# Altium PCB HUB V1.3.220712.PcbDoc
Units mm, origin at the board's own origin, x right, y up, seen from the top; angles counter-clockwise.
Board outline 69 x 48 mm, 2 copper layers (Top Layer, Bottom Layer); 90 components, 67 nets, 263 pads, 103 vias.
Unrouted connection lines stored in the file: 37.
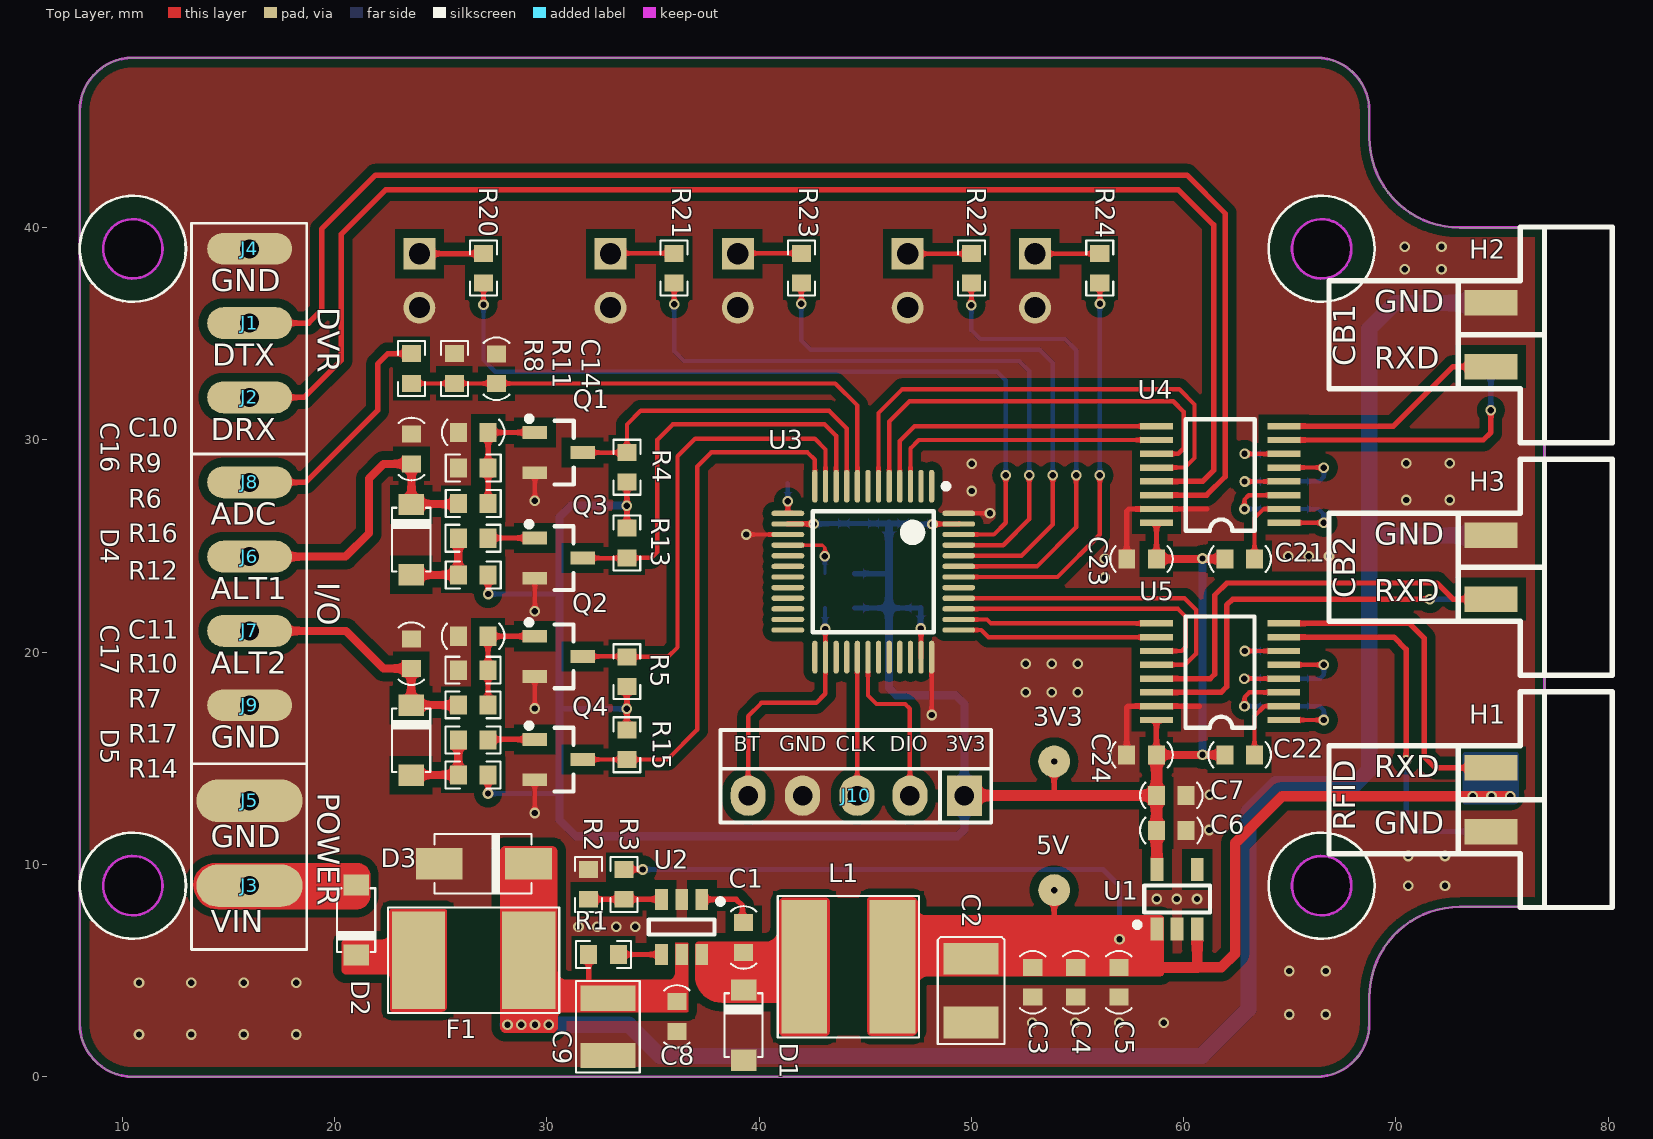
[diagram p0: Top Layer view]
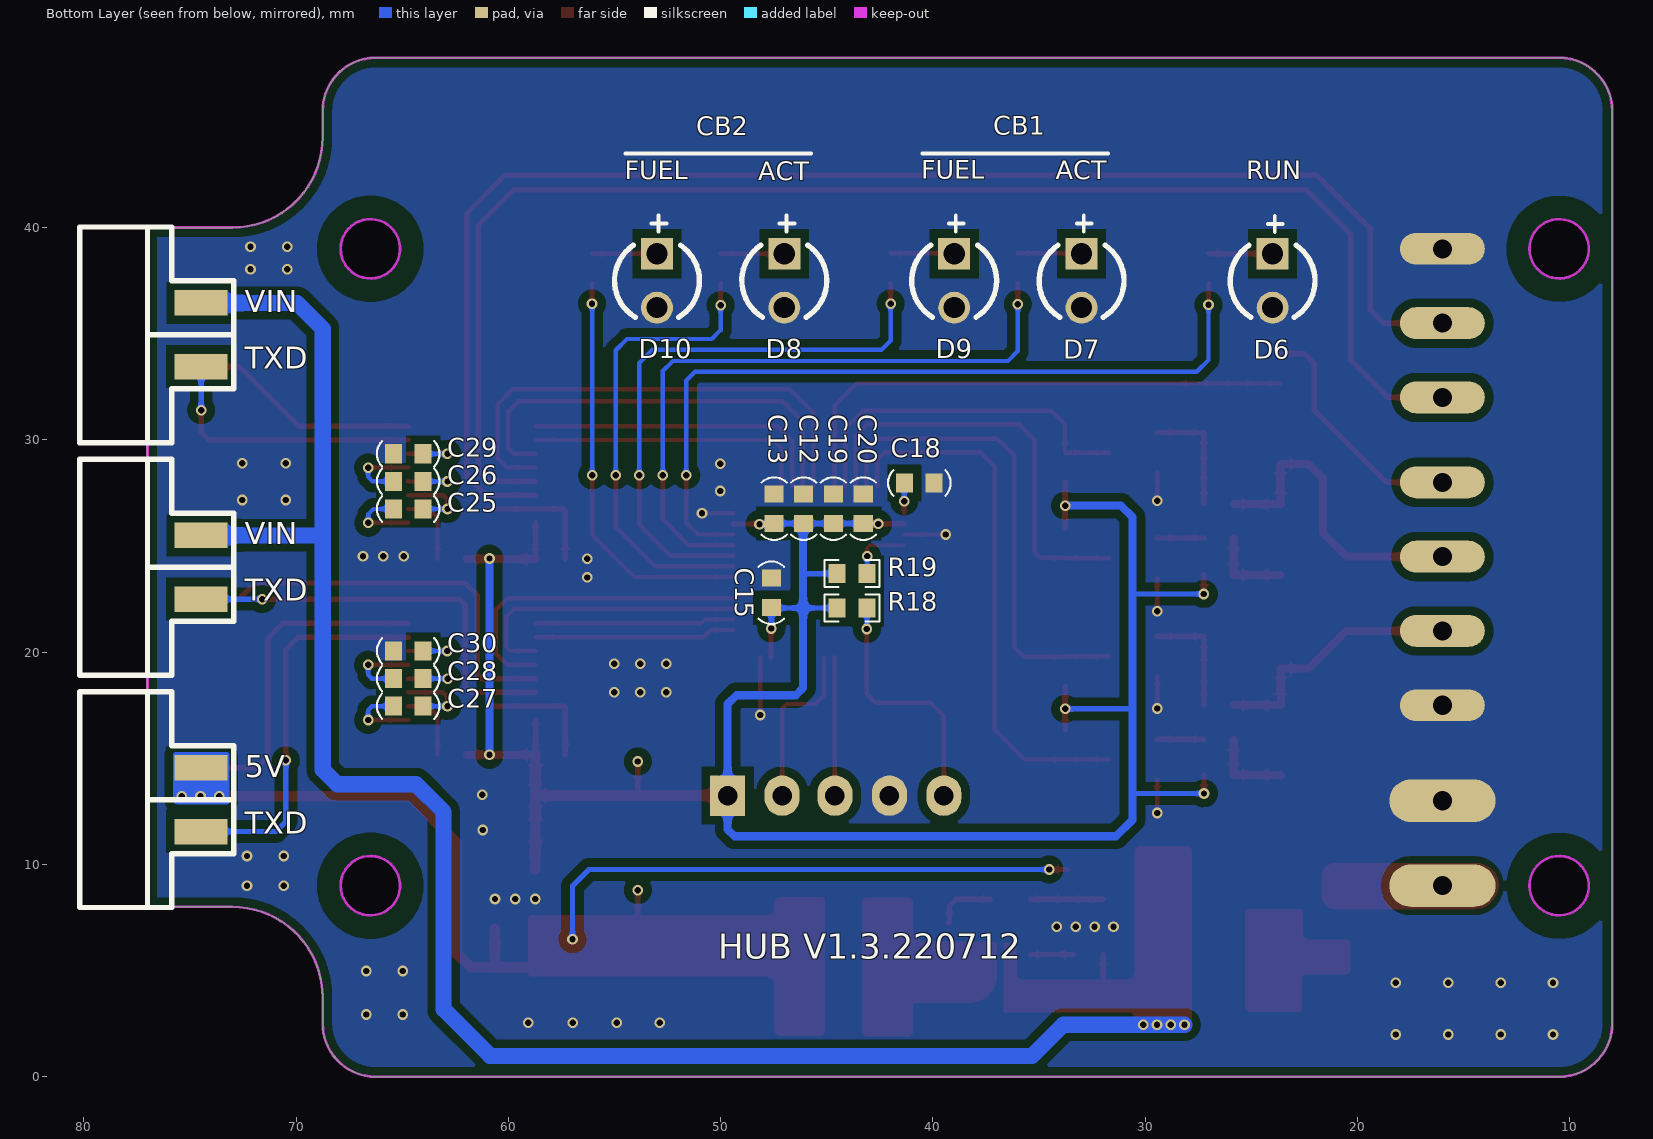
[diagram p1: Bottom Layer view, seen from below]
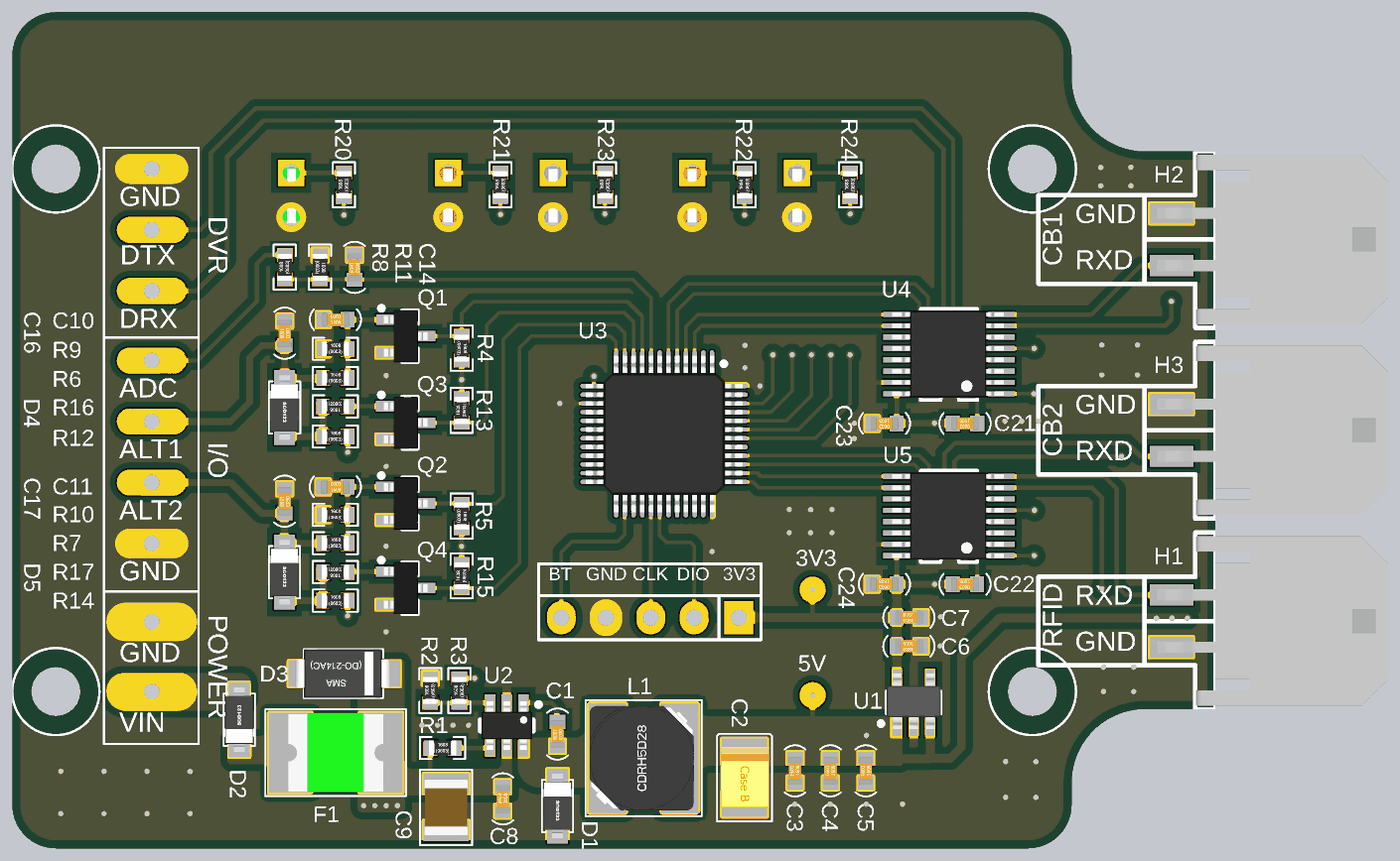
[diagram p2: 3D render of the assembled board from above, using the file's embedded part models]
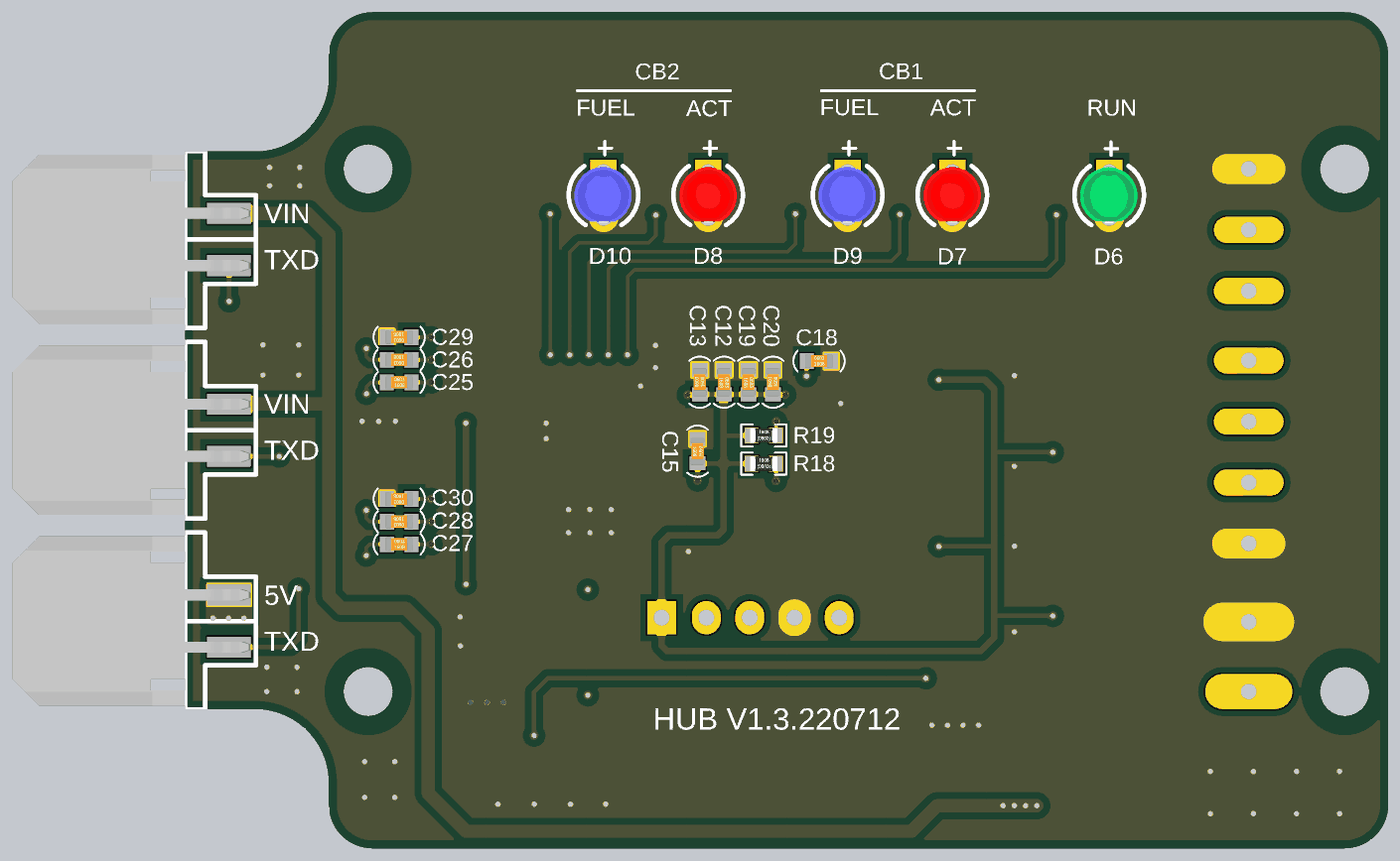
[diagram p3: 3D render of the assembled board from below, using the file's embedded part models]

## Layer stack, top to bottom
Top Solder: solder mask 0.0102, Solder Resist, Dk 3.5
Top Layer: signal copper 0.0356
Dielectric 1: dielectric 0.32, FR-4, Dk 4.8
Bottom Layer: signal copper 0.0356
Bottom Solder: solder mask 0.0102, Solder Resist, Dk 3.5

## Board outline
8,2.5 ccw(c10.5,2.5) 10.5,0 66.25,0 ccw(c66.25,2.5) 68.75,2.5 68.75,3.75 cw(c73,3.75) 73,8 77,8 77,40 73,40 cw(c73,44.25) 68.75,44.25 68.75,45.5 ccw(c66.25,45.5) 66.25,48 10.5,48 ccw(c10.5,45.5) 8,45.5
cut-out: 9.1,9 ccw(c10.5,9) 10.5,7.6 ccw(c10.5,9) 11.9,9 ccw(c10.5,9) 10.5,10.4 ccw(c10.5,9)
cut-out: 10.5,37.6 cw(c10.5,39) 9.1,39 cw(c10.5,39) 10.5,40.4 cw(c10.5,39) 11.9,39 cw(c10.5,39)
cut-out: 65.1,39 ccw(c66.5,39) 66.5,37.6 ccw(c66.5,39) 67.9,39 ccw(c66.5,39) 66.5,40.4 ccw(c66.5,39)
cut-out: 65.1,9 ccw(c66.5,9) 66.5,7.6 ccw(c66.5,9) 67.9,9 ccw(c66.5,9) 66.5,10.4 ccw(c66.5,9)

## Design rules (kind name [scope] priority, off if disabled: settings)
Clearance Polygon [InNamedPolygon('BOT GND')or InNamedPolygon('TOP GND')] p1: gap=0.4 ignorepadtopadclearanceinfootprint=FALSE
Clearance [All] p2: gap=0.152 ignorepadtopadclearanceinfootprint=FALSE
PolygonConnect [All] p1: connectstyle=Direct reliefconductorwidth=0.254 reliefentries=4 polygonreliefangle="90 Angle" airgapwidth=0.254
RoutingVias [All] p1: holewidth=0.3 width=0.5 viastyle="Through Hole" minholewidth=0.3 minwidth=0.5 maxholewidth=0.3 maxwidth=0.5
SolderMaskExpansion [All] p1: expansion=0.102
Width [All] p1: maxlimit=1.27 minlimit=0.152 preferedwidth=0.254
30 further rules are at their usual default settings.

## Components (designator, comment, footprint, x,y, rotation, side; value= is the part's Value field where it differs from the comment)
3V3 "Comment" TP1#1 53.9,14.85 r270 top
5V "Comment" TP1#1 53.9,8.79 r270 top
C1 "100nF" "0603 - C" 39.27,6.56 r270 top
C2 "107B" "3528 - TANTALUM" 49.99,4.06 r270 top value=100uF/6.3V
C3 "100nF" "0603 - C" 52.89,4.45 r90 top
C4 "10uF" "0603 - C" 54.92,4.45 r90 top
C5 "100nF" "0603 - C" 56.95,4.45 r90 top
C6 "10uF" "0603 - C" 59.42,11.6 r180 top
C7 "100nF" "0603 - C" 59.418,13.25 r180 top
C8 "100nF" "0603 - C" 36.13,2.84 r90 top
C9 "3.3uF/100V" "1210 - C" 32.88,2.35 r90 top
C10 "22pF" "0603 - C" 26.535,30.35 r0 top
C11 "22pF" "0603 - C" 26.53,20.75 r0 top
C12 "2.2uF" "0603 - C" 46.09,26.76 r270 bottom
C13 "100nF" "0603 - C" 47.48,26.76 r90 bottom
C14 "100nF" "0603 - C" 27.63,33.35 r270 top
C15 "100nF" "0603 - C" 47.61,22.8 r270 bottom
C16 "100nF" "0603 - C" 23.625,29.57 r270 top
C17 "100nF" "0603 - C" 23.62,19.93 r270 top
C18 "2.2uF" "0603 - C" 40.64,27.97 r180 bottom
C19 "2.2uF" "0603 - C" 44.69,26.76 r270 bottom
C20 "100nF" "0603 - C" 43.28,26.76 r90 bottom
C21 "100nF" "0603 - C" 62.64,24.39 r180 top
C22 "100nF" "0603 - C" 62.638,15.16 r180 top
C23 "100nF" "0603 - C" 58.02,24.39 r180 top
C24 "100nF" "0603 - C" 58.018,15.16 r180 top
C25 "100nF" "0603 - C" 64.72,26.745 r180 bottom
C26 "100nF" "0603 - C" 64.72,28.044 r0 bottom
C27 "100nF" "0603 - C" 64.718,17.455 r180 bottom
C28 "100nF" "0603 - C" 64.718,18.755 r0 bottom
C29 "100nF" "0603 - C" 64.72,29.345 r0 bottom
C30 "100nF" "0603 - C" 64.718,20.055 r0 bottom
D1 "60V 2A" SOD-123 39.27,2.43 r0 top
D2 "60V 2A" SOD-123 21.02,7.38 r180 top
D3 "SMAJ30A" "Diode - SMA" 27.04,10.03 r180 top
D4 "1N4148" SOD-123 23.615,25.3 r0 top
D5 "1N4148" SOD-123 23.612,15.85 r0 top
D6 "LED 3mm Green" "LED-3mm GREEN" 24,37.5 r270 bottom locked
D7 "LED 3mm RED" "LED-3mm RED" 33,37.5 r270 bottom
D8 "LED 3mm RED" "LED-3mm RED" 47,37.5 r270 bottom locked
D9 "LED 3mm Blue" "LED-3mm BLUE" 39,37.5 r270 bottom
D10 "LED 3mm Blue" "LED-3mm BLUE" 53,37.5 r270 bottom locked
F1 "60V-550mA" "2016 - Fuse" 26.55,5.49 r0 top
H1 "MX3.0 RA 2*2P S" 43045-M3045-2x2-B 78.92,13.05 r90 top locked
H2 "MX3.0 RA 2*2P S" 43045-M3045-2x2-B 78.92,34.95 r90 top locked
H3 "MX3.0 RA 2*2P S" 43045-M3045-2x2-B 78.92,24 r90 top locked
J1 "Test Point" TP1#2 16,35.5 r0 top
J2 "Test Point" TP1#2 16,32 r0 top
J3 "Test Point" TP1#3 16,9 r0 top
J4 "Test Point" TP1#2 16,39 r0 top
J5 "Test Point" TP1#3 16,13 r0 top
J6 "Test Point" TP1#2 16,24.5 r0 top
J7 "Test Point" TP1#2 16,21 r0 top
J8 "Test Point" TP1#4 16,27.5 r0 top
J9 "Test Point" TP1#2 16,17.5 r0 top
J10 "Jumper 5" "JP5 - 1" 44.615,13.24 r180 top
L1 "33uH, 1.5A" INDUCTOR-5D28 44.21,5.181 r0 top
Q1 "DTC143Z" SOT23B 30.565,29.4 r0 top
Q2 "DTC143Z" SOT23B 30.56,19.8 r0 top
Q3 "DTC143Z" SOT23B 30.56,24.43 r0 top
Q4 "DTC143Z" SOT23B 30.56,14.94 r0 top
R1 "1M" "0603 - R" 32.676,5.756 r0 top
R2 "15K" "0603 - R" 31.97,9.06 r90 top
R3 "82K" "0603 - R" 33.64,9.06 r90 top
R4 "10K" "0603 - R" 33.775,28.71 r270 top
R5 "10K" "0603 - R" 33.77,19.08 r270 top
R6 "10K" "0603 - R" 26.535,26.995 r0 top
R7 "10K" "0603 - R" 26.53,17.52 r0 top
R8 "10K" "0603 - R" 23.625,33.36 r90 top
R9 "5.6K" "0603 - R" 26.535,28.672 r0 top
R10 "5.6K" "0603 - R" 26.53,19.15 r0 top
R11 "10K" "0603 - R" 25.65,33.36 r270 top
R12 "10K" "0603 - R" 26.535,23.64 r0 top
R13 "10K" "0603 - R" 33.77,25.14 r90 top
R14 "10K" "0603 - R" 26.532,14.22 r0 top
R15 "10K" "0603 - R" 33.77,15.64 r90 top
R16 "10K" "0603 - R" 26.53,25.367 r180 top
R17 "10K" "0603 - R" 26.53,15.86 r180 top
R18 "10K" "0603 - R" 43.81,22.08 r180 bottom
R19 "10K" "0603 - R" 43.81,23.7 r180 bottom
R20 "1K" "0603 - R" 27.02,38.09 r90 top
R21 "1K" "0603 - R" 36,38.09 r90 top
R22 "1K" "0603 - R" 50,38.09 r90 top
R23 "1K" "0603 - R" 42,38.09 r90 top
R24 "1K" "0603 - R" 56.05,38.09 r90 top
U1 "TLV73333PDBVR" SOT23-5 59.69,8.36 r90 top
U2 "HT7463A/HT7463B" SOT23-6_L 36.356,7.053 r270 top
U3 "HT32F52253" LQFP48 45.38,23.79 r270 top locked
U4 "MB3232I" TSSOP16 61.72,28.37 r180 top locked
U5 "MB3232I" TSSOP16 61.718,19.08 r180 top locked

## Footprints (in the part's own frame and the unit in brackets; to place one, negate y for a bottom-side part, rotate by r counter-clockwise, add the part's x,y. Pads: shape width x height; smd on the part's side, far side on the other; paste and mask are expansions set on the pad)
"0603 - C" [mm] "Chip Capacitor, Body 1.6x0.8mm, IPC High Density"
  rect 0.8x0.9 smd: 1(-0.7,0) 2(0.7,0)
  silkscreen extent -1.47,-0.6 1.47,0.6, body extent -0.8,-0.4 0.8,0.4, height 0.8
"0603 - R" [mm] "Chip Resistor, Body 1.6x0.8mm, IPC High Density"
  rect 0.8x0.9 smd paste-0.025: 1(-0.7,0) 2(0.7,0)
  silkscreen extent -1.3,-0.64 1.3,0.64, body extent -0.77,-0.42 0.78,0.43, height 0.45
"1210 - C" [mm] "Chip Capacitor, Body 3.2x2.5mm, IPC High Density"
  rect 1.2x2.6 smd: 1(-1.35,0) 2(1.35,0)
  silkscreen extent -2.16,-1.5 2.16,1.5, body extent -1.6,-1.25 1.6,1.25, height 2.5
"2016 - Fuse" [mm] "Chip Resetable Fuse,  Body 5.1x4.2mm, IPC High Density"
  rect 2.5x4.6 smd: 1(-2.6,0) 2(2.6,0)
  silkscreen extent -4.04,-2.49 4.04,2.49, body extent -2.72,-2.25 2.72,2.26, height 2
"3528 - TANTALUM" [mm] "Chip Inductor, Body 3.2x1.6mm, IPC High Density"
  rect 1.5x2.6 smd: 1(-1.5,0) 2(1.5,0)
  silkscreen extent -2.51,-1.57 2.51,1.57, body extent -1.78,-1.38 1.72,1.42, height 1.9
43045-M3045-2x2-B [mm] "Micro-Fit 3.0™ Vertical Angle Header, 3.00mm Pitch, Dual Row, 4 Circuits, with Solder Tab, Gold, Glow Wire Capable, Black"
  rect 1.2x2.5 smd far side: 1(-1.5,4.445) 3(1.5,4.445)
  rect 1.2x2.5 smd: 2(-1.5,4.445) 4(1.5,4.445)
  silkscreen extent -5.08,-1.27 5.08,5.99, body extent -4.86,-7.97 4.86,5.68, height 3.62
"Diode - SMA" [mm] "Diode; 2 Leads"
  rect 2.2x1.5 smd: 1(2.1,0) 2(-2.1,0)
  silkscreen extent -2.24,-1.4 2.34,1.4, body extent -2.67,-1.4 2.83,1.4, height 2.6
INDUCTOR-5D28 [mm] "Shielded Inductor 6x6mm"
  rect 2.15x6.3 smd: 1(-2.075,0) 2(2.075,0)
  silkscreen extent -3.33,-3.33 3.33,3.33, body extent -3.1,-3 2.9,3, height 3
"JP5 - 1" [mil] "Jumper 5, 2.54x5p"
  rect 65x75 hole 36.02: 1(-199,0)
  oval 65x75 hole 36.02: 2(-98,0) 3(0,0) 4(101,0) 5(202,0)
  silkscreen extent -249,-50 253,50
"LED-3mm BLUE" [mm]
  rect 1.5x1.5 hole 1: 1(-1.27,0)
  round 1.5 hole 1: 2(1.27,0)
  silkscreen extent -3.07,-2 1.71,2, body extent -1.61,-1.68 1.6,1.62, height 4.98
"LED-3mm GREEN" [mm]
  rect 1.5x1.5 hole 1: 1(-1.27,0)
  round 1.5 hole 1: 2(1.27,0)
  silkscreen extent -3.05,-2 1.71,2, body extent -1.61,-1.67 1.61,1.62, height 4.98
"LED-3mm RED" [mm]
  rect 1.5x1.5 hole 1: 1(-1.27,0)
  round 1.5 hole 1: 2(1.27,0)
  silkscreen extent -3.07,-2 1.71,2, body extent -1.61,-1.65 1.6,1.64, height 4.98
LQFP48 [mm] "Thin QFP, 48-Leads, Body 7x7mm, Pitch 0.5mm, IPC High Density"
  oval 1.55x0.25 smd: 1(-4.025,2.75) 2(-4.025,2.25) 3(-4.025,1.75) 4(-4.025,1.25) 5(-4.025,0.75) 6(-4.025,0.25) 7(-4.025,-0.25) 8(-4.025,-0.75) 9(-4.025,-1.25) 10(-4.025,-1.75) 11(-4.025,-2.25) 12(-4.025,-2.75) 25(4.025,-2.75) 26(4.025,-2.25) 27(4.025,-1.75) 28(4.025,-1.25) 29(4.025,-0.75) 30(4.025,-0.25) 31(4.025,0.25) 32(4.025,0.75) 33(4.025,1.25) 34(4.025,1.75) 35(4.025,2.25) 36(4.025,2.75)
  oval 0.25x1.55 smd: 13(-2.75,-4.025) 14(-2.25,-4.025) 15(-1.75,-4.025) 16(-1.25,-4.025) 17(-0.75,-4.025) 18(-0.25,-4.025) 19(0.25,-4.025) 20(0.75,-4.025) 21(1.25,-4.025) 22(1.75,-4.025) 23(2.25,-4.025) 24(2.75,-4.025) 37(2.75,4.025) 38(2.25,4.025) 39(1.75,4.025) 40(1.25,4.025) 41(0.75,4.025) 42(0.25,4.025) 43(-0.25,4.025) 44(-0.75,4.025) 45(-1.25,4.025) 46(-1.75,4.025) 47(-2.25,4.025) 48(-2.75,4.025)
  silkscreen extent -4.15,-2.85 2.85,3.55, body extent -4.5,-4.5 4.5,4.5, height 1.6
SOD-123 [mm] "SOD123, 2-Leads, Body 2.6x1.6mm, Pitch 3.05mm, IPC High Density"
  rect 1.2x1 smd: 1(0,-1.652) 2(0,1.652)
  silkscreen extent -0.9,-1.5 0.9,1.5, body extent -0.8,-1.85 0.8,1.85, height 1.27
SOT23-5 [mm] "SOT23, 5-Leads, Body 2.10x2.30mm, Pitch 0.65mm, IPC Medium Density"
  rect 1.1x0.6 smd paste-0.05: 1(-1.4,0.95) 2(-1.4,0) 3(-1.4,-0.95) 4(1.4,-0.95) 5(1.4,0.95)
  silkscreen extent -1.32,-1.55 0.65,2, body extent -1.52,-1.56 1.68,1.54, height 1.45
SOT23-6_L [mm] "SOT23, 6-Leads, Body 2.9x1.6mm, Pitch 0.95mm, Lead Span 2.7mm, IPC High Density"
  rect 1x0.6 smd paste-0.025: 1(-1.3,0.95) 2(-1.3,0) 3(-1.3,-0.95) 4(1.3,-0.95) 5(1.3,0) 6(1.3,0.95)
  silkscreen extent -1.32,-1.55 0.35,1.95, body extent -1.4,-1.45 1.4,1.45, height 1.45
SOT23B [mm] "SOT23, 3-Leads, Body 2.9x1.3mm, Pitch 0.95mm, Lead Span 2.4mm, IPC High Density"
  rect 1.15x0.6 smd: 1(-1.125,0.95) 2(-1.125,-0.95) 3(1.125,0)
  silkscreen extent -1.52,-1.5 0.7,1.73, body extent -1.25,-1.5 1.25,1.5, height 1.05
TP1#1 [mm] "TP1, 1mm, 1 layer"
  round 1.5 smd paste-0.75: 1(0,0)
TP1#2 [mm] "TP1, 1mm, 1 layer"
  oval 4x1.5 hole 0.9 paste-0.75: 1(0,0)
TP1#3 [mm] "TP1, 1mm, 1 layer"
  oval 5x2 hole 0.9 paste-0.75: 1(0,0)
TP1#4 [mm] "TP1, 1mm, 1 layer"
  oval 4x1.5 hole 0.9 paste-0.75: 1(0,0.5)
TSSOP16 [mm] "TSSOP16, 16-Leads, Body 4.4x5.0mm, Pitch 0.65mm, IPC High Density"
  rect 1.55x0.3 smd: 1(-3,2.275) 2(-3,1.625) 3(-3,0.975) 4(-3,0.326) 5(-3,-0.325) 6(-3,-0.975) 7(-3,-1.625) 8(-3,-2.275) 9(3,-2.275) 10(3,-1.625) 11(3,-0.975) 12(3,-0.325) 13(3,0.326) 14(3,0.975) 15(3,1.625) 16(3,2.275)
  silkscreen extent -1.63,-2.6 1.63,2.65, body extent -3.15,-2.5 3.25,2.5, height 1.2

## Part data
C1 C3 C5 C7 C8 C13 C14 C15 C16 C17 C20 C21 C22 C23 C24 C25 C26 C27 C28 C29 C30: library part "Cap 0603 100nF", "CAP CER 100nF 50V C0G/NP0 0603", MFR=SAMSUNG, MPN=CL10C104JB8NNNC, Package=0603, Voltage=50V, Size="C0603: 100nF"
  C1 C3 C8 C13 C15 C16 C17 C20 C21 C22 C23 C24 C25 C26 C27 C28 C29 C30: Company ID="VT_T? ÐI?N_C0603 100nF"
  C5 C7 C14: Company ID="VT_CAP_C0603 100nF"
C2: library part "Cap Tan 3528 100uF/6.3V", "CAP TANT 100UF 6.3V 10% 1411", MFR=Kemet, MPN=T491B107K006AT, Company ID="VT_CAP TAN 100uF 6.3V"
C4 C6: library part "Cap 0603 10uF", "CAP CER 10UF 16V X5R 0603", MFR=Yageo, MPN=EMK107BBJ106MA-T, Package=0603, Company ID="VT_CAP_C0603 10uF", Size="C0603: 10uF"
C9: library part "Cap 1210 3.3uF", "CAP CER 3.3UF 100V X7S 1210", MFR="TDK Corporation", MPN=C3225X7S2A335M200AB, MPN2=885012209071, Company ID="VT_CAP_C1210 3.3uF 100V", Size="C1210: 3.3uF/100V"
C10 C11: library part "Cap 0603 22pF", "CAP CER 22PF 50V C0G/NP0 0603", MFR=SAMSUNG, MPN=CL10C220JB8NNNC, Company ID="VT_T? ÐI?N_C0603 22pF", Size="C0603: 22pF"
C12 C18 C19: library part "Cap 0603 2.2uF", "CAP CER 2.2UF 50V X5R 0603", MFR="Murata Electronics", MPN=GRM188R61H225KE11J, Company ID="VT_CAP_C0603 2.2uF", Size="C0603: 2.2uF"
D1 D2: library part "Diode PMEG6020ER", "DIODE SCHOTTKY 60V 2A SOD123W", MFR=NXP, MPN=PMEG6020ER,115, Company ID=VT_DIODE_PMEG6020ER
D3: library part "Diode SMAJ30A", "TVS DIODE 30V 48.4V DO214AC", MFR="Littelfuse Inc.", Company ID="VT_DIODE_ SMAJ30A", MPN=SMAJ30A
D4 D5: library part "Diode 1N4148", "DIODE GEN PURP 100V 300MA SOD123", MFR=DIODES, MPN=1N4148W-7-F, Company ID=VT_DIODE_1N4148W-7-F
D6 D7 D8: MFR=xx, MPN=xx
  D6: Company ID=VT_LED_3mm_Green
  D7 D8: Company ID=VT_LED_3mm_RED
D9 D10: MFR=China, MPN=xx, Company ID=VT_LED_3mm_Blue
F1: library part "Fuse 60V - 550mA", "PTC Resettable Fuse 60V 550mA", MFR="Bourns Inc.", MPN=MF-SMDF050-2, Company ID="VT_Fuse_60V - 550mA"
H1 H2 H3: library part "HD2x2 S", "Micro-Fit 3.0™ Straight Header, 3.00mm Pitch, Dual Row, 4 Circuits", MFR=China, MPN=M3045-2x2-B, MPN2=43045-, Company ID="VT_CONN_2*2 (M3045)"
J1 J2 J3 J4 J5 J6 J7 J8 J9: library part TP, "1mm - 1 layer"
J10: library part JP5, "Jumper 5, 2.54mmx5"
L1: library part "Inductor 33uH, 1.5A", "FIXED IND 33UH 1.5A 286 MOHM SMD", MFR=SunLord, MPN=SWPA6028S330MT, Company ID=VT_IND_33uH/1.5A
Q1 Q2 Q3 Q4: library part "Transistor DTC143Z", "TRANS PREBIAS NPN 200MW SMT3", MFR=Rohm, MPN=DTC143ZKAT146, MPN2=TDTC143Z,LM(T, Company ID=VT_TRANSISTOR_DTC143Z
R1: library part "Res 0603 1M", "RES SMD 1M OHM 1% 1/10W 0603", MFR=Yageo, MPN=RC0603FR-071ML, Company ID="VT_ÐI?N TR?_R0603 1M"
R2: library part "Res 0603 15K", "RES SMD 15K OHM 1% 1/10W 0603", MFR=Yageo, MPN=RC0603FR-0715KL, Company ID="VT_ÐI?N TR?_R0603 15K", Size="R0603: 15K"
R3: library part "Res 0603 82K", "RES SMD 82K OHM 1% 1/10W 0603", MFR=Yageo, MPN=RE0603FRE0782KL, Company ID="VT_RES_R0603 82K", Size="R0603: 82K"
R4 R5 R6 R7 R8 R11 R12 R13 R14 R15 R16 R17 R18 R19: library part "Res 0603 10K", "RES SMD 10K OHM 1% 1/10W 0603", MFR=Yageo, MPN=RC0603FR-0710KL, Size="R0603: 10K"
  R4 R5 R6 R7 R8 R11 R12 R13 R14 R15 R16 R17 R19: Company ID="VT_ÐI?N TR?_R0603 10K"
  R18: Company ID="VT_RES_R0603 10K"
R9 R10: library part "Res 0603 5.6K", "RES SMD 5.6K OHM 1% 1/10W 0603", MFR=Yageo, MPN=RC0603FR-075K6L, Company ID="VT_ÐI?N TR?_R0603 5.6K", Size="R0603: 5.6K"
R20 R21 R22 R23 R24: library part "Res 0603 1K", "RES SMD 1K OHM 1% 1/10W 0603", MFR=Yageo, MPN=RC0603FR-071KL, Company ID="VT_RES_R0603 1K", Size="R0603: 1K"
U1: "IC REG LINEAR 3.3V 300MA SOT23-5", MFR=TI, Company ID=VT_IC_TLV73333, MPN=TLV73333PDBVR
U2: "52V/600mA, 1.25MHz/550kHz / Asynchronous Step Down Converter", MFR=Holtek, Company ID=VT_IC_HT7463A/HT7463B, MPN=HT7463A/HT7463B
U3: library part "HT32F52253 48 LQFP-A", "HT32F52253 48 LQFP-A", MFR=Holtek, Company ID="VT_IC_HT32F52253_48 LQFP-A", MPN="HT32F52253 48 LQFP-A"
U4 U5: library part MAX3232IPW, "IC DRVR/RCVR MLTCH RS232 16TSSOP", MFR=TI, MPN=MAX3232IPWR, Company ID=VT_IC_MAX3232IPW

## Via types
v1: diameter 0.5, hole 0.3, Top Layer to Bottom Layer, tented both sides, 103 vias

## Nets (pads, with @x,y where several pads share a name; then routed paths per layer and width w, separated by ;. In a path a pad name is that pad's centre, name@x,y a point inside that pad or via, vN(x,y) a via of type N, cw(c..) or ccw(c..) an arc to the next point about the centre after c; other vN are vias at no path point)
3V3: 3V3.1 C6.2 C7.2 C12.2 C13.1 C15.2 C19.2 C20.1 C21.2 C22.2 C23.1 C24.1 J10.1 R4.2 R5.2 R12.2 R13.2 R14.2 R15.2 R18.1 R19.1 U1.5 U3.14 U3.35 U3.47 U4.16 U5.16 | length 120.9
  Top Layer w0.254: v1(27.232,13.342) R14.2 ; v1(27.235,22.738) R12.2 ; R15.2 v1(33.77,17.33) R5.2 ; R13.2 33.775,25.845 v1(33.775,26.9) R4.2 ; U3.14 v1(42.58,26.04) ; v1(47.61,21.114) 47.628,21.096 47.628,19.767 U3.35 ; v1(48.17,26.03) 48.178,26.038 49.403,26.038 U3.47 ; 53.86,13.25 53.9,13.29 v1(53.9,14.85) ; C24.1 U5.16 ; C23.1 U4.16
  Top Layer w0.381: C24.1 v1(60.89,15.16) C22.2 ; C23.1 C21.2
  Top Layer w0.508: J10.1 49.68,13.25 53.86,13.25 C7.2 ; C24.1 58.729,15.149 58.729,9.771 U1.5
  Bottom Layer w0.254: v1(27.232,13.342) 30.588,13.342 30.6,13.33 ; v1(27.235,22.738) 30.588,22.738 30.6,22.75 ; 30.6,17.27 30.66,17.33 v1(33.77,17.33) ; v1(42.58,26.04) 43.26,26.04 C20.1 46.113,26.06 C13.1 47.51,26.03 v1(48.17,26.03) ; R18.1 46.113,22.08 47.59,22.08 C15.2 v1(47.61,21.114) ; R19.1 46.103,23.7 46.113,23.71
  Bottom Layer w0.381: v1(33.775,26.9) 31.138,26.9 30.6,26.362 30.6,22.75 30.6,17.27 30.6,13.33 30.6,12.1 31.37,11.33 49.35,11.33 49.67,11.65 J10.1 49.67,17.55 49.25,17.97 46.46,17.97 46.113,18.317 46.113,22.08 46.113,23.71 C12.2@46.113,26.06 ; v1(60.89,15.16) v1(60.89,24.41)
5V: 5V.1 C2.1 C3.2 C4.2 C5.2 H1.3 L1.2 R3.2 U1.1 U1.3 | length 54.8
  Top Layer w0.254: R3.2 34.516,9.76 v1(34.52,9.764) ; 53.9,6.95 v1(53.9,8.79) 5V.1@53.9,8.92
  Top Layer w0.508: C5.2 60.646,5.15 60.64,5.156 ; U1.3 60.64,5.156 ; v1(75.39,13.215) v1(74.505,13.215) v1(73.62,13.215) 64.635,13.215 62.43,11.01 62.43,5.81 61.776,5.156 60.64,5.156
  Bottom Layer w0.254: v1(34.52,9.764) 56.206,9.764 56.98,8.99 v1(56.98,6.478)
ACT_RXD: H2.2 U4.8 | length 10.9
  Top Layer w0.254: U4.8 69.885,30.645 72.69,33.45 H2.2
ACT_TXD: H2.1 U4.7 | length 13
  Top Layer w0.254: U4.7 74.115,29.995 74.47,30.35 v1(74.47,31.4)
  Bottom Layer w0.254: v1(74.47,31.4) 74.47,33.445 H2.1
ADC_5V: J8.1 R8.2 | length 11.4
  Top Layer w0.254: J8.1 18.639,28 22.03,31.391 22.03,33.575 22.515,34.06 R8.2
ADC_IN: C14.2 R8.1 R11.2 U3.8 | length 25.2
  Top Layer w0.203: R8.1 43.59,32.66 44.63,31.62 U3.8
ALT1: C16.2 D4.2 J6.1 R6.1 | length 15.1
  Top Layer w0.254: R6.1@25.813,26.973 R6.1
  Top Layer w0.381: J6.1 20.52,24.5 21.62,25.6 21.62,28.18 22.31,28.87 C16.2 D4.2@23.625,26.962 ; D4.2 D4.2@23.625,26.962 ; R6.1@25.813,26.973 23.636,26.973 D4.2@23.625,26.962
ALT2: C17.2 D5.2 J7.1 R7.1 | length 12.3
  Top Layer w0.381: J7.1 20.54,21 22.31,19.23 C17.2 23.612,19.222 D5.2 25.812,17.502 R7.1
BOOT: J10.5 R18.2 U3.26 | length 11.9
  Top Layer w0.203: J10.5 39.485,16.985 40.11,17.61 42.69,17.61 43.121,18.041 U3.26@43.121,19.774 ; v1(43.11,21.09) 43.121,21.079 U3.26@43.121,19.774 ; U3.26 U3.26@43.121,19.774
  Bottom Layer w0.203: v1(43.11,21.09) R18.2
CB1_ACT: R21.1 U3.45 | length 31.1
  Top Layer w0.203: v1(36,36.39) R21.1 ; U3.45 51.5,25.04 52.727,26.268 v1(52.727,28.33)
  Bottom Layer w0.203: v1(36,36.39) 36,34.18 36.46,33.72 52.25,33.72 52.727,33.242 v1(52.727,28.33)
CB1_SOJI: R23.1 U3.44 | length 27.6
  Top Layer w0.203: v1(41.99,36.42) 41.99,37.38 R23.1 ; U3.44 52.36,24.54 53.835,26.015 v1(53.835,28.33)
  Bottom Layer w0.203: v1(41.99,36.42) 41.99,34.68 42.43,34.24 53.22,34.24 53.835,33.625 v1(53.835,28.33)
CB2_ACT: R22.1 U3.43 | length 22.3
  Top Layer w0.203: U3.43 53.09,24.04 54.935,25.885 v1@54.935,28.255 ; v1(50,36.35) R22.1 ; v1@54.86,28.33 v1@54.935,28.255 ; v1(54.942,28.33) 54.935,28.323 v1@54.935,28.255
  Bottom Layer w0.203: v1(50,36.35) 50,35.17 50.42,34.75 54.41,34.75 54.942,34.218 v1(54.942,28.33)
CB2_SOJI: R24.1 U3.42 | length 19.3
  Top Layer w0.203: U3.42 54.06,23.54 56.05,25.53 v1(56.05,28.33) ; R24.1 56.06,37.38 v1(56.06,36.42)
  Bottom Layer w0.203: v1@56.04,36.42 56.05,36.41 v1(56.05,28.33)
DVR_RXD: J2.1 U4.13 | length 68.1
  Top Layer w0.254: J2.1 18.56,32 20.31,33.75 20.31,39.68 22.41,41.78 59.76,41.78 61.41,40.13 61.41,28.56 60.894,28.044 U4.13
DVR_TXD: J1.1 U4.14 | length 67.8
  Top Layer w0.254: J1.1 18.78,35.5 19.39,36.11 19.39,39.93 21.93,42.47 60.15,42.47 61.96,40.66 61.96,28.27 61.085,27.395 U4.14
GND: C2.2 C3.1 C4.1 C5.1 C6.1 C7.1 C8.1 C9.1 C10.1 C11.1 C12.1 C13.2 C14.1 C15.1 C16.1 C17.1 C18.2 C19.1 C20.2 C23.2 C24.2 C29.2 C30.2 D1.1 D3.1 D6.2 D7.2 D8.2 D9.2 D10.2 H1.2 H2.4 H3.4 J4.1 J5.1 J9.1 J10.4 Q1.2 Q2.2 Q3.2 Q4.2 R2.2 R9.1 R10.1 R11.1 U1.2 U2.2 U3.15 U3.36 U3.48 U4.15 U5.15 | length 23.8
  Top Layer w0.203: v1(29.435,12.425) Q4.2 ; v1(29.435,17.345) Q2.2 ; Q3.2 29.44,23.475 v1(29.44,21.93) ; v1(29.44,27.14) Q1.2 ; v1(39.4,25.54) U3.15 ; v1(48.13,17.04) U3.36 ; U3.48 v1(50.88,26.54)
  Top Layer w0.254: C24.2 57.318,17.388 57.385,17.455 U5.15 60.745,17.455 ; C23.2 57.32,26.642 57.423,26.745 U4.15 61.095,26.745
  other v1: 10.79,1.99 13.26,1.99 15.73,1.99 18.2,1.99 52.877,2.54 54.897,2.54 56.967,2.54 59.056,2.54 64.97,2.93 66.7,2.93 10.79,4.42 13.26,4.42 15.73,4.42 18.2,4.42 64.97,4.98 66.7,4.98 31.495,7.07 32.386,7.07 33.277,7.07 34.168,7.07 58.729,8.374 59.679,8.374 60.63,8.374 70.58,9 72.31,9 70.58,10.4 72.31,10.4 61.21,11.62 61.23,13.29 52.56,18.12 53.785,18.12 55.01,18.12 52.56,19.45 53.785,19.45 55.01,19.45 56.29,23.52 56.29,24.4 64.93,24.52 65.89,24.52 66.85,24.52 70.48,27.17 72.53,27.17 50.02,27.59 50.02,28.87 70.48,28.9 72.53,28.9 70.42,38.03 72.15,38.03 70.42,39.09 72.15,39.09
MCU_ALT1.0: Q3.3 R13.1 U3.10 | length 20.3
  Top Layer w0.203: Q3.3 33.76,24.43 R13.1 34.93,24.44 35.21,24.72 35.21,30.01 35.94,30.74 43.085,30.74 43.63,30.195 U3.10
MCU_ALT1.1: Q1.3 R4.1 U3.9 | length 17.1
  Top Layer w0.203: Q1.3 33.765,29.4 R4.1 33.775,30.725 34.42,31.37 43.3,31.37 44.13,30.54 U3.9
MCU_ALT2.0: Q4.3 R15.1 U3.12 | length 25.6
  Top Layer w0.203: Q4.3 R15.1 35.68,14.94 37.09,16.35 37.09,28.75 37.75,29.41 42.28,29.41 42.621,29.069 42.621,27.824 U3.12
MCU_ALT2.1: Q2.3 R5.1 U3.11 | length 22.9
  Top Layer w0.203: Q2.3 33.75,19.8 R5.1 35.715,19.78 36.16,20.225 36.16,29.23 36.99,30.06 42.62,30.06 43.13,29.55 U3.11
NetC1_1: C1.1 U2.1 | length 2.9
  Top Layer w0.254: U2.1 38.923,8.353 39.22,8.057 39.22,7.26 C1.1
NetC1_2: C1.2 D1.2 L1.1 U2.6
NetC10_2: C10.2 Q1.1 R6.2 R9.2 | length 5.6
  Top Layer w0.254: R6.2 R9.2 C10.2 Q1.1
NetC11_2: C11.2 Q2.1 R7.2 R10.2 | length 5.4
  Top Layer w0.254: R7.2 R10.2 C11.2 Q2.1
NetC18_1: C18.1 U3.13 | length 1.4
  Top Layer w0.203: U3.13 v1(41.355,27.105)
  Bottom Layer w0.203: C18.1 41.355,27.955 v1(41.355,27.105)
NetC21_1: C21.1 U4.2 | length 3.5
  Top Layer w0.203: C21.1 63.34,26.32 63.765,26.745 U4.2
NetC22_1: C22.1 U5.2 | length 3.4
  Top Layer w0.203: C22.1 63.338,16.998 63.795,17.455 64.708,17.455 64.713,17.45 U5.2
NetC25_1: C25.1 U4.1 | length 3.6
  Top Layer w0.203: U4.1 v1(66.595,26.095)
  Bottom Layer w0.203: C25.1 66.355,26.745 66.595,26.505 v1(66.595,26.095)
NetC25_2: C25.2 U4.3 | length 3.5
  Top Layer w0.203: v1(62.865,26.745) 62.865,27.189 63.07,27.395 U4.3
  Bottom Layer w0.203: v1(62.865,26.745) C25.2
NetC26_1: C26.1 U4.4 | length 3
  Top Layer w0.203: v1(62.87,28.04) 64.716,28.04 U4.4
  Bottom Layer w0.203: v1(62.87,28.04) 64.016,28.04 C26.1
NetC26_2: C26.2 U4.5 | length 3.6
  Top Layer w0.203: U4.5 v1(66.605,28.695)
  Bottom Layer w0.203: C26.2 66.394,28.044 66.605,28.255 v1(66.605,28.695)
NetC27_1: C27.1 U5.1 | length 3.6
  Top Layer w0.203: U5.1 v1(66.605,16.805)
  Bottom Layer w0.203: C27.1 66.429,17.455 66.605,17.279 v1(66.605,16.805)
NetC27_2: C27.2 U5.3 | length 3.5
  Top Layer w0.203: v1(62.865,17.455) 62.865,17.875 63.095,18.105 U5.3
  Bottom Layer w0.203: v1(62.865,17.455) C27.2
NetC28_1: C28.1 U5.4 | length 3
  Top Layer w0.203: v1(62.855,18.755) U5.4
  Bottom Layer w0.203: v1(62.855,18.755) C28.1
NetC28_2: C28.2 U5.5 | length 3.6
  Top Layer w0.203: U5.5 v1(66.605,19.405)
  Bottom Layer w0.203: C28.2 66.431,18.755 66.605,18.929 v1(66.605,19.405)
NetC29_1: C29.1 U4.6 | length 3
  Top Layer w0.203: v1(62.87,29.34) 64.715,29.34 U4.6
  Bottom Layer w0.203: v1(62.87,29.34) 64.015,29.34 C29.1
NetC30_1: C30.1 U5.6 | length 3
  Top Layer w0.203: v1(62.875,20.055) U5.6
  Bottom Layer w0.203: v1(62.875,20.055) C30.1
NetD2_1: D2.1 J3.1 | length 5
  Top Layer w0.965: J3.1 J3.1@16.032,9.032
  Top Layer w1: J3.1@16.032,9.032 D2.1
NetD2_2: D2.2 F1.1 | length 3
  Top Layer w1: D2.2 23.712,5.728 F1.1
NetD4_1: D4.1 R12.1 R16.2 | length 4
  Top Layer w0.254: D4.1 D4.1@23.623,23.64 ; R12.1@25.83,23.645 R12.1
  Top Layer w0.381: D4.1@23.623,23.64 R12.1 ; R12.1@25.83,23.645 R16.2
NetD5_1: D5.1 R14.1 R17.2 | length 3.9
  Top Layer w0.381: D5.1 23.634,14.22 R14.1 25.83,14.222 R17.2
NetD6_1: D6.1 R20.2 | length 3
  Top Layer w0.254: D6.1 27,38.77 R20.2
NetD7_1: D7.1 R21.2 | length 3
  Top Layer w0.203: D7.1 33.02,38.79 R21.2
NetD8_1: D8.1 R22.2 | length 3
  Top Layer w0.203: D8.1 49.98,38.77 R22.2
NetD9_1: D9.1 R23.2 | length 3
  Top Layer w0.203: D9.1 39.02,38.79 R23.2
NetD10_1: D10.1 R24.2 | length 3.1
  Top Layer w0.203: D10.1 56.03,38.77 R24.2
NetQ3_1: Q3.1 R16.1 | length 2.2
  Top Layer w0.254: R16.1 27.243,25.38 Q3.1
NetQ4_1: Q4.1 R17.1 | length 2.2
  Top Layer w0.254: R17.1 27.26,15.89 Q4.1
NetR1_2: R1.2 U2.4 | length 2
  Top Layer w0.254: R1.2 35.406,5.756 U2.4
NetR2_1: R2.1 R3.1 U2.3 | length 3.4
  Top Layer w0.254: R2.1 R3.1 35.406,8.36 U2.3
NRST: R19.2 U3.16 | length 3
  Top Layer w0.152: U3.16 42.989,25.04 43.1,24.929 v1(43.1,24.51)
  Bottom Layer w0.152: v1(43.1,24.51) 43.1,23.71 R19.2
RFID_RXD: H1.4 U5.8 | length 15.8
  Top Layer w0.254: U5.8 70.635,21.355 71.33,20.66 71.33,15.08 71.86,14.55 H1.4
RFID_TXD: H1.1 U5.7 | length 18.3
  Top Layer w0.254: U5.7 69.905,20.705 70.48,20.13 v1(70.48,14.9)
  Bottom Layer w0.254: v1(70.48,14.9) 70.48,12.02 70.95,11.55 H1.1
RUN: R20.1 U3.46 | length 37.8
  Top Layer w0.203: v1(27.02,36.36) R20.1 ; U3.46 51.06,25.54 51.62,26.1 v1(51.62,28.33)
  Bottom Layer w0.203: v1(27.02,36.36) 27.02,33.765 27.575,33.21 51.21,33.21 51.62,32.8 v1(51.62,28.33)
SOJI_RXD: H3.2 U5.13 | length 20.1
  Top Layer w0.254: U5.13 61.255,18.755 61.46,18.96 61.46,22.68 62.04,23.26 71.93,23.26 72.69,22.5 H3.2
SOJI_TXD: H3.1 U5.14 | length 19.8
  Top Layer w0.254: U5.14 61.765,18.105 62.03,18.37 62.03,22.215 62.315,22.5 v1(71.6,22.5)
  Bottom Layer w0.254: v1(71.6,22.5) H3.1
SWCLK: J10.3 U3.29 | length 6.5
  Top Layer w0.203: J10.3 44.623,13.247 44.623,19.758 U3.29
SWDIO: J10.2 U3.30 | length 8.1
  Top Layer w0.203: U3.30 45.13,17.96 45.53,17.56 46.88,17.56 47.105,17.335 J10.2
UR1_RX: U3.40 U5.12 | length 15.6
  Top Layer w0.203: U3.40 60.04,22.54 60.59,21.99 60.59,19.93 60.065,19.405 U5.12
UR1_TX: U3.39 U5.11 | length 13.7
  Top Layer w0.203: U3.39 59.733,22.04 60.093,21.68 60.093,20.243 59.905,20.055 U5.11
UR2_RX: U3.38 U5.9 | length 9.4
  Top Layer w0.203: U3.38 50.74,21.54 50.925,21.355 U5.9
UR2_TX: U3.37 U5.10 | length 9.5
  Top Layer w0.203: U3.37 50.47,21.04 50.805,20.705 U5.10
USR0_RX: U3.4 U4.9 | length 14.5
  Top Layer w0.203: U3.4 46.63,29.95 47.325,30.645 U4.9
USR0_TX: U3.3 U4.10 | length 13.5
  Top Layer w0.203: U3.3 47.13,29.6 47.525,29.995 U4.10
USR1_RX: U3.6 U4.12 | length 23.6
  Top Layer w0.203: U3.6 45.63,31.27 46.75,32.39 59.79,32.39 60.51,31.67 60.51,29.145 60.06,28.695 U4.12
USR1_TX: U3.5 U4.11 | length 20.6
  Top Layer w0.203: U3.5 46.13,30.865 47.085,31.82 59.51,31.82 60.01,31.32 60.01,29.61 59.745,29.345 U4.11
VIN: C8.2 C9.2 D3.2 F1.2 H2.3 H3.3 R1.1 U2.5 | length 92.1
  Top Layer w0.254: R1.1 31.976,4.604 ccw(c32.88,4.604) C9.2
  Top Layer w1: D3.2 29.145,10.025 29.145,5.495 F1.2
  Bottom Layer w0.762: v1(28.15,2.45) v1(28.797,2.45) v1(29.443,2.45) v1(30.09,2.45) 33.86,2.45 35.33,0.98 60.86,0.98 63.05,3.17 63.05,12.479 64.351,13.78 68.058,13.78 68.74,14.462 68.74,35.23 69.96,36.45 H2.3 ; 68.78,25.5 H3.3
pads on no net: U1.4 U3.1 U3.2 U3.7 U3.17 U3.18 U3.19 U3.20 U3.21 U3.22 U3.23 U3.24 U3.25 U3.27 U3.28 U3.31 U3.32 U3.33 U3.34 U3.41

## Polygon pours and split planes (outlines as drawn)
GND on Bottom Layer "BOT GND" (solid, remove dead copper, pour order 0): 8,2.5 ccw(c10.5,2.5) 10.5,0 66.25,0 ccw(c66.25,2.5) 68.75,2.5 68.75,3.75 cw(c73,3.75) 73,8 77,8 77,40 73,40 cw(c73,44.25) 68.75,44.25 68.75,45.5 ccw(c66.25,45.5) 66.25,48 10.5,48 ccw(c10.5,45.5) 8,45.5
GND on Top Layer "TOP GND" (solid, remove dead copper, pour order 1): 8,2.5 ccw(c10.5,2.5) 10.5,0 66.25,0 ccw(c66.25,2.5) 68.75,2.5 68.75,3.75 cw(c73,3.75) 73,8 77,8 77,40 73,40 cw(c73,44.25) 68.75,44.25 68.75,45.5 ccw(c66.25,45.5) 66.25,48 10.5,48 ccw(c10.5,45.5) 8,45.5

## Keep-outs
Keep-Out Layer:
  circle w0.127: c66.5,39 r1.4
  circle w0.127: c66.5,9 r1.4
  circle w0.127: c10.5,9 r1.4
  circle w0.127: c10.5,39 r1.4
  lines w0.127: 8,2.5 ccw(c10.5,2.5) 10.5,0 66.25,0 ccw(c66.25,2.5) 68.75,2.5 68.75,3.75 cw(c73,3.75) 73,8 77,8 77,40 73,40 cw(c73,44.25) 68.75,44.25 68.75,45.5 ccw(c66.25,45.5) 66.25,48 10.5,48 ccw(c10.5,45.5) 8,45.5 8,2.5

## Other copper
Top Layer:
  pour cut-out: 10.5,6.5 cw(c10.5,9) 8,9 cw(c10.5,9) 10.5,11.5 cw(c10.5,9) 13,9 cw(c10.5,9)
  pour cut-out: 66.5,6.5 cw(c66.5,9) 64,9 cw(c66.5,9) 66.5,11.5 cw(c66.5,9) 69,9 cw(c66.5,9)
  pour cut-out: 66.5,36.5 cw(c66.5,39) 64,39 cw(c66.5,39) 66.5,41.5 cw(c66.5,39) 69,39 cw(c66.5,39)
  pour cut-out: 10.5,36.5 cw(c10.5,39) 8,39 cw(c10.5,39) 10.5,41.5 cw(c10.5,39) 13,39 cw(c10.5,39)
  region net 5V: 58.934,4.744 ccw(c58.934,4.87) 59.06,4.87 59.06,7.46 ccw(c58.92,7.46) 58.92,7.6 47.844,7.6 cw(c47.842,7.962) 47.48,7.96 47.48,8.19 ccw(c47.22,8.19) 47.22,8.45 45.22,8.45 ccw(c45.22,8.335) 45.105,8.335 45.105,2.13 ccw(c45.314,2.13) 45.314,1.921 47.16,1.921 ccw(c47.16,2.241) 47.48,2.241 47.48,4.254 cw(c47.97,4.254) 47.97,4.744
  region net VIN: 30.72,3.03 ccw(c30.72,2.837) 30.526,2.836 30.526,2.337 cw(c30.258,2.337) 30.258,2.069 28.07,2.069 cw(c28.07,2.337) 27.802,2.337 27.802,7.742 27.802,10.602 cw(c28.064,10.602) 28.064,10.864 30.23,10.864 cw(c30.23,10.594) 30.5,10.594 30.5,8.599 30.5,5 ccw(c30.94,5) 30.94,4.56 35.713,4.56 ccw(c35.713,4.897) 36.05,4.897 36.05,6.285 cw(c36.08,6.285) 36.08,6.315 36.604,6.315 cw(c36.604,6.263) 36.656,6.263 36.656,3.086 cw(c36.6,3.086) 36.6,3.03
  region net NetC1_2: 37.176,6.36 ccw(c37.176,6.172) 36.988,6.172 36.988,4.742 ccw(c38.24,4.742) 38.24,3.49 40.76,3.49 cw(c40.76,3.3) 40.95,3.3 40.95,2.12 ccw(c41.17,2.12) 41.17,1.9 43.09,1.9 ccw(c43.09,2.13) 43.32,2.13 43.32,8.256 ccw(c43.14,8.256) 43.14,8.436 41.166,8.436 ccw(c41.166,8.21) 40.94,8.21 40.94,7.02 cw(c40.28,7.02) 40.28,6.36
  region net NetD2_2: 20.333,6.263 20.333,5.042 ccw(c20.55,5.042) 20.55,4.825 22.427,4.825 cw(c22.427,4.632) 22.62,4.632 22.62,3.165 ccw(c22.715,3.165) 22.715,3.07 25.07,3.07 ccw(c25.07,3.29) 25.29,3.29 25.29,7.778 ccw(c25.175,7.778) 25.175,7.893 22.714,7.893 ccw(c22.714,7.759) 22.58,7.759 22.58,6.8 cw(c22.24,6.8) 22.24,6.46 20.53,6.46 ccw(c20.53,6.263)
  region net NetD2_1: 21.088,10.06 cw(c21.088,9.458) 21.69,9.458 21.69,8.558 cw(c21.02,8.558) 21.02,7.888 14.502,7.888 cw(c14.502,9.04) 13.35,9.04 cw(c14.37,9.04) 14.37,10.06
  pour cut-out: 43.33,1.956 43.33,8.4 45.09,8.4 45.09,1.956
  pour cut-out: 25.271,3 25.271,7.96 27.77,7.96 27.77,3
  region net VIN: 27.802,7.742
  region: 29.84,6.92
Bottom Layer:
  region net 5V: 73.157,12.946 ccw(c73.263,12.946) 73.263,12.84 75.597,12.84 ccw(c75.597,13.03) 75.787,13.03 75.787,15.15 ccw(c75.647,15.15) 75.647,15.29 73.287,15.29 ccw(c73.287,15.16) 73.157,15.16
  pour cut-out: 66.5,6.5 cw(c66.5,9) 64,9 cw(c66.5,9) 66.5,11.5 cw(c66.5,9) 69,9 cw(c66.5,9)
  pour cut-out: 66.5,36.5 cw(c66.5,39) 64,39 cw(c66.5,39) 66.5,41.5 cw(c66.5,39) 69,39 cw(c66.5,39)
  pour cut-out: 10.5,36.5 cw(c10.5,39) 8,39 cw(c10.5,39) 10.5,41.5 cw(c10.5,39) 13,39 cw(c10.5,39)
  pour cut-out: 10.5,6.5 cw(c10.5,9) 8,9 cw(c10.5,9) 10.5,11.5 cw(c10.5,9) 13,9 cw(c10.5,9)

## Silkscreen, mask and mechanical layers (free items; w line width, h text height)
Top Overlay:
  circle w0.127: c10.5,9 r2.5
  circle w0.127: c66.5,9 r2.5
  circle w0.127: c10.5,39 r2.5
  circle w0.127: c66.5,39 r2.5
  lines w0.127: 13.26,5.99 18.69,5.99 18.69,14.74 13.26,14.74 13.26,5.99 ; 13.26,14.75 18.69,14.75 18.69,29.32 13.26,29.32 13.26,14.75 ; 13.26,29.34 13.26,40.21 18.69,40.21 18.69,29.34 13.26,29.34
  lines w0.18: 38.189,14.51 38.189,16.335 50.94,16.335 50.94,14.51
  lines w0.254: 72.928,10.51 66.85,10.51 66.85,15.59 72.928,15.59 ; 72.928,21.46 66.85,21.46 66.85,26.54 72.928,26.54 ; 72.928,32.41 66.85,32.41 66.85,37.49 72.928,37.49
  text "GND" at 14.18,36.64 h1.8
  text "DVR" at 18.86,36.24 h1.8 r270
  text "GND" at 68.99,35.65 h1.8
  text "CB1" at 68.43,33.48 h1.8 r90
  text "DTX" at 14.23,33.14 h1.8
  text "RXD" at 68.99,33 h1.8
  text "DRX" at 14.18,29.64 h1.8
  text "ADC" at 14.18,25.64 h1.8
  text "GND" at 68.99,24.7 h1.8
  text "I/O" at 18.86,23.29 h1.8 r270
  text "CB2" at 68.43,22.53 h1.8 r90
  text "ALT1" at 14.18,22.14 h1.8
  text "RXD" at 68.99,22.05 h1.8
  text "ALT2" at 14.18,18.64 h1.8
  text "GND" at 14.18,15.14 h1.8
  text "BT" at 38.8,15.1 h1.2
  text "GND" at 40.948,15.1 h1.2
  text "CLK" at 43.61,15.1 h1.2
  text "DIO" at 46.16,15.1 h1.2
  text "3V3" at 48.805,15.1 h1.2
  text "RXD" at 68.99,13.75 h1.8
  text "POWER" at 18.86,13.37 h1.8 r270
  text "RFID" at 68.43,11.58 h1.8 r90
  text "GND" at 68.99,11.1 h1.8
  text "GND" at 14.18,10.46 h1.8
  text "VIN" at 14.18,6.46 h1.8
Bottom Overlay:
  lines w0.18: 31.74,43.49 40.49,43.49 ; 45.74,43.49 54.49,43.49
  text "CB1" at 37.17,44.06 h1.5
  text "CB2" at 51.15,44.04 h1.5
  text "FUEL" at 40.54,42 h1.5
  text "RUN" at 25.23,41.98 h1.5
  text "ACT" at 34.22,41.98 h1.5
  text "FUEL" at 54.52,41.98 h1.5
  text "ACT" at 48.22,41.93 h1.5
  text "VIN" at 72.415,35.657 h1.8
  text "TXD" at 72.415,33.007 h1.8
  text "VIN" at 72.415,24.72 h1.8
  text "TXD" at 72.415,22.07 h1.8
  text "5V" at 72.415,13.745 h1.8
  text "TXD" at 72.415,11.095 h1.8
  text "HUB V1.3.220712" at 50.11,5.16 h2